# Altium PCB PCBrm.PcbDoc (part 6 of 7)
Units mm, origin at the board's own origin, x right, y up, seen from the top; angles counter-clockwise.
Board outline 220.73 x 137.67 mm, 2 copper layers (Top Layer, Bottom Layer); 138 components, 115 nets, 746 pads, 210 vias.
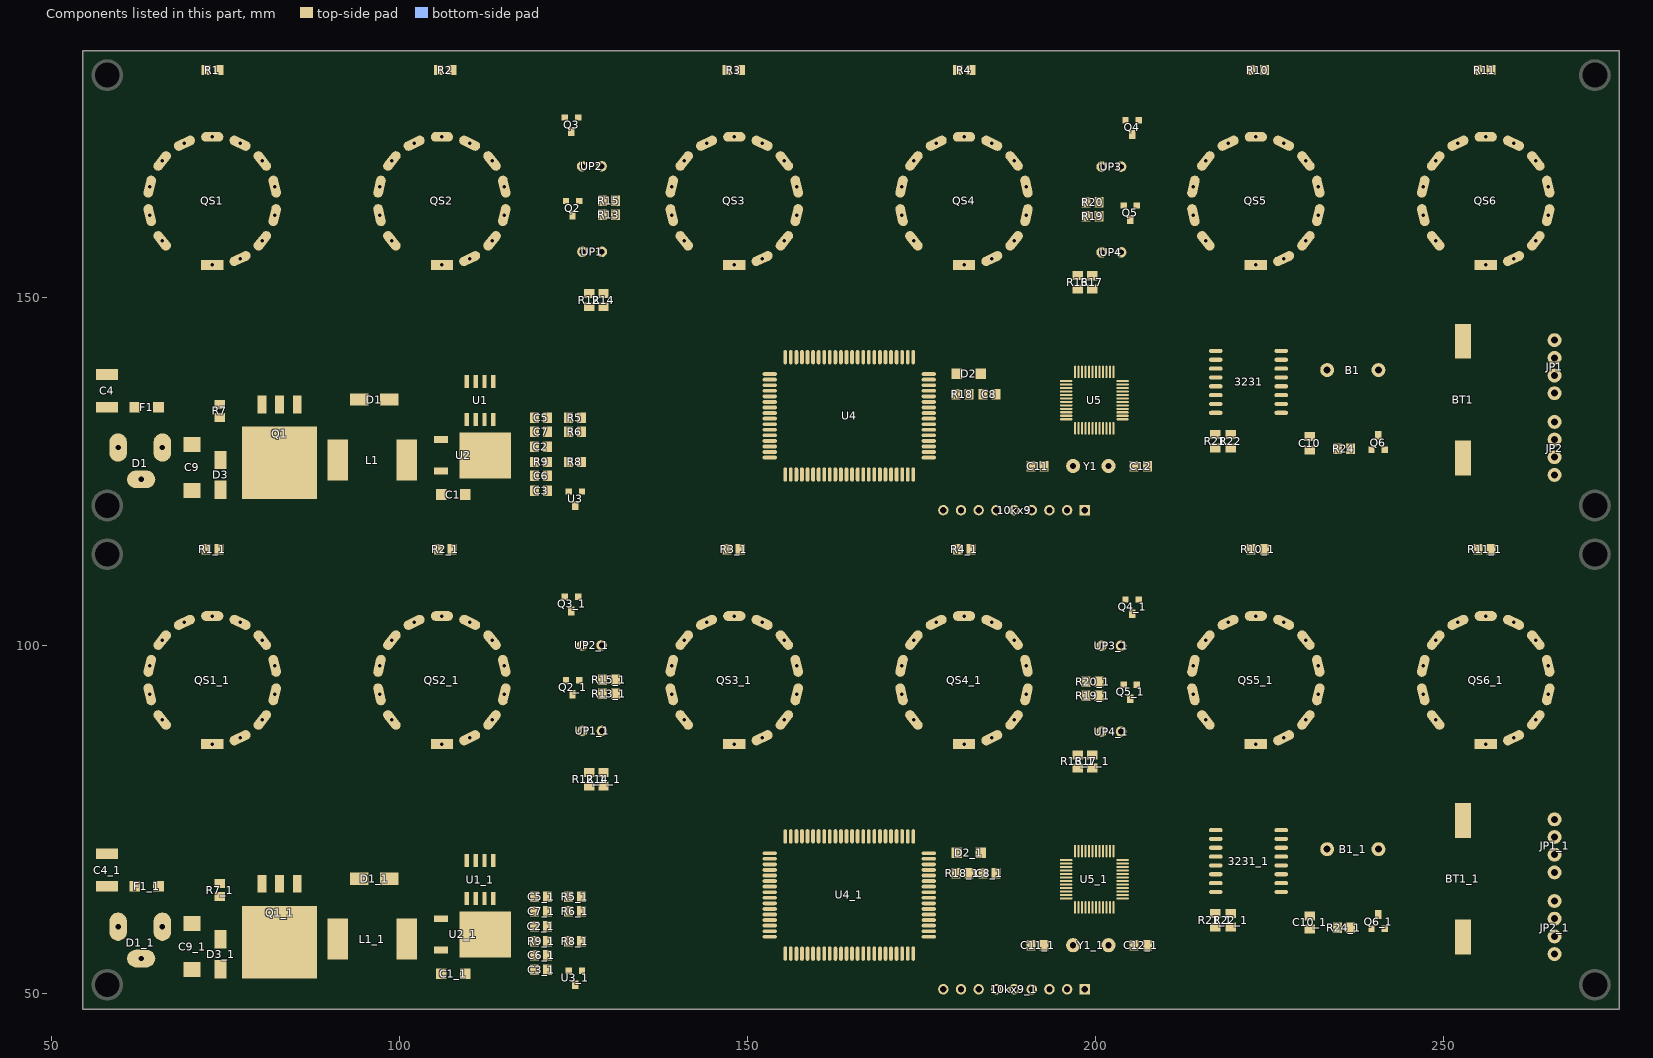
[diagram p6: the components of this part, seen from the top]

## Via types
v1: diameter 1.27, hole 0.711, Top Layer to Bottom Layer, 118 vias
v2: diameter 1.016, hole 0.711, Top Layer to Bottom Layer, 52 vias
v3: diameter 0.61, hole 0.381, Top Layer to Bottom Layer, 40 vias

## Nets (pads, with @x,y where several pads share a name; then routed paths per layer and width w, separated by ;. In a path a pad name is that pad's centre, name@x,y a point inside that pad or via, vN(x,y) a via of type N, cw(c..) or ccw(c..) an arc to the next point about the centre after c; other vN are vias at no path point) (continued)
copper on no net: (continued)
  Top Layer w0.254: 216.685,61.603 217.245,62.902 ; 216.809,88.234 215.762,87.452 ; 216.928,59.563 217.195,58.176 ; 216.929,61.523 217.245,62.902 ; 217.073,64.588 217.245,63.54 217.418,64.588 ; 217.073,68.426 217.245,69.474 217.418,68.426 ; 217.073,69.668 217.245,68.62 217.418,69.668 ; 217.072,69.691 217.105,68.623 ; 217.073,69.696 217.245,70.744 217.418,69.696 ; 217.073,70.938 217.245,69.89 217.418,70.938 ; 217.072,70.961 217.105,69.893 ; 217.073,70.966 217.245,72.014 217.418,70.966 ; 217.073,72.208 217.245,71.16 217.418,72.208 ; 217.072,72.231 217.105,71.163 ; 217.073,72.236 217.245,73.284 217.418,72.236 ; 217.073,73.478 217.245,72.43 ; 217.072,73.501 217.105,72.433 ; 217.076,69.646 217.385,68.623 ; 217.076,70.916 217.385,69.893 ; 217.076,72.186 217.385,71.163 ; 217.076,73.456 217.385,72.433 ; 217.245,65.872 215.798,65.872 ; 217.245,68.412 217.245,69.682 ; 217.257,59.322 218.788,59.239 ; 217.257,59.855 218.788,59.938 ; 217.265,59.066 218.788,59.239 ; 217.265,60.11 218.788,59.938 ; 217.29,59.319 218.749,59.423 ; 217.29,59.857 218.749,59.754 ; 217.33,59.067 218.749,59.423 ; 217.33,60.11 218.749,59.754 ; 217.35,59.325 218.749,59.754 ; 217.35,59.852 218.749,59.423 ; 217.379,59.333 218.788,59.938 ; 217.379,59.844 218.788,59.239 ; 217.414,69.646 217.105,68.623 ; 217.414,70.916 217.105,69.893 ; 217.414,72.186 217.105,71.163 ; 217.414,73.456 217.105,72.433 ; 217.418,69.691 217.385,68.623 ; 217.418,70.961 217.385,69.893 ; 217.418,72.231 217.385,71.163 ; 217.418,73.478 217.245,72.43 ; 217.418,73.501 217.385,72.433 ; 217.446,59.088 218.749,59.754 ; 217.446,60.089 218.749,59.423 ; 217.463,59.563 217.195,58.176 ; 217.464,61.505 217.245,62.902 ; 217.5,59.107 218.788,59.938 ; 217.5,60.07 218.788,59.239 ; 217.685,102.701 218.564,101.508 ; 217.709,59.492 217.195,58.176 ; 217.712,61.567 217.245,62.902 ; 217.73,102.622 218.774,101.604 ; 217.747,102.525 cw(c213.499,98.277) 219.507,98.277 ; 217.904,102.835 218.564,101.508 ; 217.925,102.789 218.774,101.604 ; 217.927,102.704 cw(c214.112,98.89) 219.507,98.89 ; 218.106,102.884 cw(c214.726,99.503) 219.507,99.503 ; 218.286,103.064 cw(c215.339,100.117) 219.507,100.117 ; 218.448,103.249 218.975,101.694 ; 218.463,103.178 219.161,101.778 ; 218.466,103.243 cw(c215.952,100.73) 219.507,100.73 ; 218.486,103.114 219.325,101.851 ; 218.507,103.068 219.559,101.69 ; 218.509,103.037 218.774,101.604 ; 218.519,102.989 218.564,101.508 ; 218.52,103.045 219.407,102.104 ; 218.623,102.917 219.427,102.559 ; 218.645,103.423 cw(c216.565,101.343) 219.507,101.343 ; 218.696,103.312 218.975,101.694 ; 218.701,103.273 219.161,101.778 ; 218.71,103.238 219.325,101.851 ; 218.722,103.208 219.559,101.69 ; 218.724,103.202 219.407,102.104 ; 218.764,103.062 218.774,101.604 ; 218.764,103.137 219.427,102.559 ; 218.775,102.975 218.564,101.508 ; 218.825,103.602 cw(c217.179,101.956) 219.507,101.956 ; 218.963,103.321 219.559,102.724 ; 219.004,103.782 cw(c217.792,102.569) 219.507,102.569 ; 219.208,59.074 217.893,59.588 ; 219.208,60.102 217.893,59.588 ; 219.236,102.817 cw(c219.345,102.615) 219.507,102.777 cw(c219.669,102.939) 219.467,103.048 ; 219.28,59.321 217.893,59.588 ; 219.28,59.856 217.893,59.588 ; 219.305,59.588 217.893,59.588 ; 219.318,103.432 219.427,102.559 ; 219.325,103.408 219.559,101.69 ; 219.328,103.394 219.407,102.104 ; 219.331,103.297 218.975,101.694 ; 219.331,103.368 219.325,101.851 ; 219.333,103.333 219.161,101.778 ; 219.405,61.488 222.494,61.488 v1(222.504,61.478) 221.107,61.488 ; 219.505,59.588 220.917,59.588 ; 219.505,61.488 220.917,61.488 ; 219.531,59.321 220.917,59.588 ; 219.531,59.856 220.917,59.588 ; 219.531,61.221 220.917,61.488 ; 219.531,61.756 220.917,61.488 ; 219.576,103.222 218.975,101.694 ; 219.58,103.424 219.559,101.69 ; 219.58,103.426 219.427,102.559 ; 219.585,103.284 219.161,101.778 ; 219.585,103.384 219.407,102.104 ; 219.587,103.345 219.325,101.851 ; 219.602,59.074 220.917,59.588 ; 219.602,60.102 220.917,59.588 ; 219.602,60.974 220.917,61.488 ; 219.602,62.002 220.917,61.488 ; v1@222.408,60.979 221.107,61.488 ; v1@222.415,61.978 221.107,61.488 ; v1@222.479,61.225 221.107,61.488 ; v1@222.483,61.731 221.107,61.488 ; 226.431,103.248 226.947,101.797 ; 226.438,103.212 227.073,101.665 ; 226.441,103.198 227.026,102.027 ; 226.459,103.139 227.005,102.482 ; 226.473,70.938 226.645,69.89 ; 226.473,70.966 226.645,72.014 226.818,70.966 ; 226.472,72.231 226.505,71.163 226.814,72.186 ; 226.476,73.458 226.797,72.306 226.645,73.492 226.645,74.89 v1(227.432,75.677) ; 226.477,73.534 226.32,72.547 ; 226.645,67.142 228.117,67.142 ; 226.645,72.222 226.32,72.547 ; 226.679,103.313 226.947,101.797 ; 226.682,103.291 227.073,101.665 ; 226.682,103.29 227.026,102.027 ; 226.685,103.274 227.005,102.482 ; 226.947,99.589 cw(c231.099,99.589) 228.163,102.525 ; 226.947,100.202 cw(c230.485,100.202) 227.983,102.704 ; 226.947,100.815 cw(c229.872,100.815) 227.804,102.884 ; 226.947,101.429 cw(c229.259,101.429) 227.624,103.064 ; 226.947,102.042 cw(c228.646,102.042) 227.444,103.243 ; 226.947,102.655 cw(c228.033,102.655) 227.265,103.423 ; 226.947,103.268 cw(c227.419,103.268) 227.085,103.602 ; 226.947,103.321 226.947,92.792 225.616,91.46 224.129,91.46 219.79,87.121 219.79,87.11 207.719,75.04 206.13,75.04 206.077,75.093 173.011,75.093 171.536,73.617 ; 227.237,102.986 227.419,101.513 ; 227.248,103.063 227.232,101.595 ; 227.311,103.279 227.005,102.482 ; 227.314,103.292 226.947,101.797 ; 227.315,103.304 227.026,102.027 ; 227.316,103.32 227.073,101.665 ; 227.32,67.142 228.117,67.142 ; 227.339,66.97 228.117,67.142 ; 227.339,67.314 228.117,67.142 ; 227.493,102.995 227.419,101.513 ; 227.503,103.038 227.232,101.595 ; 227.539,103.148 227.005,102.482 ; 227.557,103.211 226.947,101.797 ; 227.559,103.222 227.026,102.027 ; 227.566,103.263 227.073,101.665 ; v1(227.736,59.294) 230.749,59.294 230.759,59.284 ; 228.086,102.789 227.232,101.595 ; 228.105,102.829 227.419,101.513 ; 228.281,102.622 227.232,101.595 ; 228.322,102.691 227.419,101.513 ; v1@229.003,68.738 228.239,67.264 ; v1@229.22,68.603 228.239,67.264 ; v1@229.578,68.245 228.239,67.264 ; v1@229.713,68.028 228.239,67.264 ; 230.148,97.326 cw(c233.447,97.326) 231.114,99.659 ; 230.148,97.939 cw(c232.834,97.939) 230.935,99.838 ; 230.148,98.552 cw(c232.221,98.552) 230.755,100.018 ; 230.148,99.166 cw(c231.607,99.166) 230.575,100.198 ; 230.148,100.768 230.103,100.722 230.103,95.229 225.826,90.952 224.339,90.952 220.298,86.911 220.298,86.9 207.93,74.532 205.92,74.532 205.867,74.585 173.303,74.585 172.336,73.617 ; 230.189,100.126 230.337,98.426 ; 230.194,100.169 230.239,98.634 ; 230.204,100.217 230.218,99.089 ; 230.212,100.248 230.103,98.919 ; 230.239,100.319 230.198,99.543 ; 230.445,100.129 230.337,98.426 ; 230.45,100.156 230.239,98.634 ; 230.461,100.191 230.218,99.089 ; 230.465,100.202 230.103,98.919 ; 230.496,89.296 233.219,92.018 233.219,99.384 227.29,105.313 218.62,105.313 212.115,98.808 212.115,83.758 206.498,78.141 171.259,78.141 166.736,73.617 ; 230.497,100.26 230.198,99.543 ; 230.517,90.533 231.869,90.849 ; 230.545,90.546 232.044,90.843 ; 230.562,60.67 229.247,61.184 ; 230.562,61.698 229.247,61.184 ; 230.581,94.989 cw(c232.125,93.445) 232.125,95.628 ; 230.599,90.29 231.869,90.849 ; 230.601,90.565 231.686,90.58 ; 230.616,90.299 232.044,90.843 ; 230.633,60.916 229.247,61.184 ; 230.633,61.451 229.247,61.184 ; 230.635,90.308 231.686,90.58 ; 230.659,61.184 229.247,61.184 ; 230.709,90.064 ccw(c230.709,91.406) 231.658,90.457 ; 230.709,90.318 ccw(c230.709,92.273) 232.091,90.891 ; 230.709,90.572 ccw(c230.709,93.14) 232.525,91.324 ; 230.759,61.184 226.172,61.184 224.577,59.588 219.405,59.588 217.195,59.588 217.195,55.052 216.256,54.112 214.198,54.112 214.198,55.001 213.182,56.017 210.744,56.017 ; 230.928,99.808 230.198,99.543 ; 230.96,89.766 232.044,90.843 ; 230.964,89.769 231.686,90.58 ; 230.974,99.548 230.198,99.543 ; 230.98,89.783 231.869,90.849 ; 231.015,95.423 cw(c232.125,94.313) 232.125,95.882 ; 231.015,99.888 230.218,99.089 ; 231.017,99.89 230.103,98.919 ; 231.047,99.941 230.239,98.634 ; 231.06,99.972 230.337,98.426 ; 231.155,89.6 232.044,90.843 ; 231.177,89.621 231.686,90.58 ; 231.176,99.686 230.218,99.089 ; 231.186,99.696 230.103,98.919 ; 231.191,89.638 231.869,90.849 ; 231.253,99.788 230.239,98.634 ; 231.283,99.846 230.337,98.426 ; 231.381,95.789 ccw(c230.968,96.201) 231.552,96.201 ; 231.412,92.728 ccw(c230.998,92.522) 230.998,92.984 ; 231.412,93.24 cw(c230.998,93.447) 230.998,92.984 ; 231.448,95.856 cw(c232.125,95.18) 232.125,96.136 ; 231.705,92.494 231.253,93.061 ; 231.738,96.587 231.34,95.672 ; 231.742,96.592 231.033,95.336 ; 231.762,96.614 231.007,95.415 ; 231.766,96.618 231.473,95.909 ; 231.794,93.543 231.253,93.061 ; 231.799,93.545 230.998,92.984 ; 231.816,92.449 230.998,92.984 ; 231.879,92.696 231.253,93.061 ; 231.918,93.313 230.998,92.984 ; 231.924,92.984 230.998,92.984 ; 231.924,97.079 231.924,96.332 226.036,90.444 224.549,90.444 220.806,86.701 220.806,86.689 208.14,74.024 205.709,74.024 205.657,74.077 173.595,74.077 173.136,73.617 ; 231.928,92.684 230.998,92.984 ; 231.932,93.316 231.253,93.061 ; 231.954,96.446 231.033,95.336 ; 231.961,96.453 231.34,95.672 ; 231.966,96.458 231.007,95.415 ; 231.99,96.476 231.473,95.909 ; 232.192,95.644 231.473,95.909 ; 232.24,95.904 231.473,95.909 ; 232.305,95.925 231.34,95.672 ; 232.325,95.935 231.007,95.415 ; 232.337,95.667 231.34,95.672 ; 232.341,95.944 231.033,95.336 ; 232.397,95.688 231.007,95.415 ; 232.428,95.702 231.033,95.336 ; v1@232.87,60.631 234.056,59.691 ; v1@232.909,60.592 234.237,59.744 ; v1@232.942,60.565 234.397,59.786 ; v1@232.956,60.555 234.429,59.83 ; v1@233.013,60.52 234.491,60.033 ; v1@233.046,60.817 234.056,59.691 ; v1@233.064,60.795 234.237,59.744 ; v1@233.069,60.495 234.552,60.206 ; v1@233.08,60.78 234.397,59.786 ; v1@233.086,60.774 234.429,59.83 ; v1@233.112,60.756 234.491,60.033 ; v1@233.139,60.741 234.552,60.206 ; v1@233.395,61.178 234.552,60.206 ; v1@233.417,61.16 234.491,60.033 ; v1@233.438,61.139 234.429,59.83 ; v1@233.444,61.132 234.397,59.786 ; v1@233.458,61.113 234.237,59.744 ; v1@233.474,61.087 234.056,59.691 ; v1@233.575,61.359 234.552,60.206 ; v1@233.616,61.321 234.491,60.033 ; v1@233.653,61.277 234.429,59.83 ; v1@233.663,61.264 234.397,59.786 ; v1@233.69,61.221 234.237,59.744 ; v1@233.717,61.166 234.056,59.691 ; 234.3,59.248 v1@233.522,60.66 ; 234.514,59.389 v1@233.522,60.66 ; 234.711,59.472 233.248,60.935 v1(233.248,60.97) ; 234.711,59.572 v1@233.522,60.66 ; 234.876,59.784 v1@233.522,60.66 ; 234.997,60.009 v1@233.522,60.66 ; 246.645,95.684 248.171,95.387 ; 246.714,95.661 248.214,95.574 ; 246.715,95.931 248.171,95.387 ; 246.717,96.632 248.151,95.934 ; 246.751,95.915 248.214,95.574 ; 246.787,95.648 248.185,95.767 ; 246.789,95.905 248.185,95.767 ; 246.805,95.628 cw(c246.805,91.643) 249.623,94.461 ; 246.805,95.882 cw(c246.805,92.51) 249.19,94.895 ; 246.805,96.136 cw(c246.805,93.378) 248.756,95.328 ; 246.805,96.39 cw(c246.805,94.245) 248.323,95.762 ; 246.805,96.644 cw(c246.805,95.112) 247.889,96.196 ; 246.805,96.898 cw(c246.805,95.979) 247.455,96.629 ; 246.805,97.152 cw(c246.805,96.846) 247.022,97.063 ; 246.847,96.853 248.151,95.934 ; 246.871,95.898 247.878,96.103 ; 246.94,96.524 247.878,96.103 ; 246.954,95.652 247.878,96.103 ; 246.992,96.505 248.185,95.767 ; 247.006,92.984 250.477,89.513 250.477,88.122 249.64,87.285 239.439,87.285 237.363,89.36 237.363,101.044 229.031,109.377 203.728,109.377 193.98,99.628 193.98,90.115 186.069,82.205 169.426,82.205 168.923,82.205 160.336,73.617 ; 247.006,97.079 250.985,93.099 250.985,87.912 249.85,86.777 239.228,86.777 236.855,89.15 236.855,100.834 228.82,108.869 203.939,108.869 194.488,99.418 194.488,89.905 186.28,81.697 169.215,81.697 161.136,73.617 ; 247.02,91.601 248.407,91.285 ; 247.022,96.489 248.214,95.574 ; 247.053,96.467 248.171,95.387 ; 247.056,97.094 248.151,95.934 ; 247.076,96.746 247.878,96.103 ; 247.087,91.575 248.408,91.466 ; 247.099,91.845 248.407,91.285 ; 247.105,91.57 248.507,91.483 ; 247.133,91.828 248.408,91.466 ; 247.145,91.823 248.507,91.483 ; 247.147,96.71 248.185,95.767 ; 247.196,96.678 248.214,95.574 ; 247.198,91.809 248.102,91.802 ; 247.206,91.534 cw(c247.206,88.516) 249.34,90.65 ; 247.206,91.788 cw(c247.206,89.383) 248.906,91.084 ; 247.206,92.042 cw(c247.206,90.25) 248.473,91.517 ; 247.206,92.296 cw(c247.206,91.117) 248.039,91.951 ; 247.234,91.55 248.102,91.802 ; 247.246,96.637 248.171,95.387 ; 247.309,97.289 248.151,95.934 ; 247.421,92.396 248.102,91.802 ; 247.433,92.388 248.507,91.483 ; 247.447,92.378 248.408,91.466 ; 247.472,92.357 248.407,91.285 ; 247.537,97.406 248.151,95.934 ; 247.616,92.568 248.507,91.483 ; 247.619,92.566 248.102,91.802 ; 247.641,92.547 248.408,91.466 ; 247.68,92.508 248.407,91.285 ; 248.209,89.295 cw(c246.826,89.295) 247.804,88.317 cw(c248.782,87.339) 248.782,88.722 ; 248.221,99.491 cw(c248.221,95.054) 251.358,98.192 ; 248.221,99.745 cw(c248.221,95.921) 250.925,98.625 ; 248.221,99.999 cw(c248.221,96.789) 250.491,99.059 ; 248.221,100.253 cw(c248.221,97.656) 250.058,99.492 ; 248.221,100.507 cw(c248.221,98.523) 249.624,99.926 ; 248.221,100.761 cw(c248.221,99.39) 249.19,100.36 ; 248.221,101.015 cw(c248.221,100.258) 248.757,100.793 ; 248.329,89.583 248.09,88.537 ; 248.351,100.473 249.43,99.323 ; 248.355,89.626 248.024,88.604 ; 248.362,89.637 247.779,88.292 ; 248.404,100.403 249.599,99.488 ; 248.458,100.35 249.743,99.615 ; 248.463,89.295 cw(c247.693,89.295) 248.238,88.751 cw(c248.782,88.206) 248.782,88.976 ; 248.488,100.326 249.52,99.905 ; 248.5,100.317 249.838,99.712 ; 248.551,100.633 249.43,99.323 ; 248.572,89.495 248.09,88.537 ; 248.577,100.592 249.599,99.488 ; 248.588,89.515 247.779,88.292 ; 248.59,89.517 248.024,88.604 ; 248.604,100.561 249.743,99.615 ; 248.612,100.552 249.52,99.905 ; 248.625,100.541 249.838,99.712 ; 248.782,89.296 247.279,87.793 239.649,87.793 237.871,89.571 237.871,101.255 229.241,109.885 203.518,109.885 193.472,99.838 193.472,90.325 185.859,82.713 169.134,82.713 168.631,82.713 159.536,73.617 ; 248.782,100.768 251.968,97.582 251.968,87.745 250.491,86.269 239.018,86.269 236.267,89.019 236.267,100.646 228.553,108.361 217.357,108.361 209.067,100.071 209.067,85.02 205.236,81.189 169.507,81.189 161.936,73.617 ; 249.005,89.042 248.024,88.604 ; 249.028,89.058 248.09,88.537 ; 249.028,89.059 247.779,88.292 ; 249.081,88.794 248.024,88.604 ; 249.088,100.975 249.838,99.712 ; 249.104,100.951 249.743,99.615 ; 249.11,100.941 249.52,99.905 ; 249.123,100.915 249.599,99.488 ; 249.125,88.818 248.09,88.537 ; 249.139,100.873 249.43,99.323 ; 249.143,88.829 247.779,88.292 ; 249.319,101.086 249.838,99.712 ; 249.345,101.041 249.743,99.615 ; 249.36,101.008 249.52,99.905 ; 249.373,100.975 249.599,99.488 ; 249.394,100.9 249.43,99.323 ; 250.704,102.702 251.58,101.506 ; 250.749,102.623 251.79,101.601 ; 250.767,102.525 cw(c246.642,98.4) 252.476,98.4 ; 250.924,102.836 251.58,101.506 ; 250.945,102.79 251.79,101.601 ; 250.947,102.704 cw(c247.255,99.013) 252.476,99.013 ; 251.126,102.884 cw(c247.868,99.626) 252.476,99.626 ; 251.306,103.064 cw(c248.482,100.239) 252.476,100.239 ; 251.467,103.252 251.988,101.69 ; 251.482,103.183 252.171,101.771 ; 251.486,103.243 cw(c249.095,100.852) 252.476,100.852 ; 251.503,103.121 252.328,101.842 ; 251.507,103.111 252.476,101.572 ; 251.529,103.036 251.79,101.601 ; 251.539,102.988 251.58,101.506 ; 251.54,103.045 252.382,102.182 ; 251.658,102.903 252.403,102.637 ; 251.665,103.423 cw(c249.708,101.466) 252.476,101.466 ; 251.716,103.314 251.988,101.69 ; 251.721,103.276 252.171,101.771 ; 251.729,103.242 252.328,101.842 ; 251.733,103.231 252.476,101.572 ; 251.744,103.204 252.382,102.182 ; 251.785,103.06 251.79,101.601 ; 251.788,103.133 252.403,102.637 ; 251.796,102.973 251.58,101.506 ; 251.845,103.602 cw(c250.321,102.079) 252.476,102.079 ; 251.983,103.321 252.476,102.828 252.476,87.535 250.702,85.761 238.807,85.761 235.759,88.809 235.759,100.436 228.342,107.853 217.568,107.853 209.575,99.86 209.575,84.81 205.446,80.681 169.799,80.681 162.736,73.617 ; 252.024,103.782 cw(c250.934,102.692) 252.476,102.692 ; 252.341,103.424 252.403,102.637 ; 252.349,103.386 252.476,101.572 ; 252.349,103.387 252.382,102.182 ; 252.351,103.296 251.988,101.69 ; 252.352,103.364 252.328,101.842 ; 252.353,103.331 252.171,101.771 ; 252.595,103.22 251.988,101.69 ; 252.603,103.401 252.403,102.637 ; 252.604,103.281 252.171,101.771 ; 252.605,103.386 252.476,101.572 ; 252.607,103.339 252.328,101.842 ; 252.606,103.366 252.382,102.182 ; 259.451,103.248 259.967,101.797 ; 259.458,103.212 260.093,101.665 ; 259.461,103.198 260.046,102.027 ; 259.479,103.139 260.025,102.482 ; 259.699,103.313 259.967,101.797 ; 259.702,103.291 260.093,101.665 ; 259.702,103.29 260.046,102.027 ; 259.705,103.274 260.025,102.482 ; 259.967,99.589 cw(c264.119,99.589) 261.183,102.525 ; 259.967,100.202 cw(c263.505,100.202) 261.003,102.704 ; 259.967,100.815 cw(c262.892,100.815) 260.824,102.884 ; 259.967,101.429 cw(c262.279,101.429) 260.644,103.064 ; 259.967,102.042 cw(c261.666,102.042) 260.464,103.243 ; 259.967,102.655 cw(c261.053,102.655) 260.285,103.423 ; 259.967,103.268 cw(c260.439,103.268) 260.105,103.602 ; 260.257,102.986 260.439,101.513 ; 260.268,103.063 260.252,101.595 ; 260.331,103.279 260.025,102.482 ; 260.334,103.292 259.967,101.797 ; 260.335,103.304 260.046,102.027 ; 260.336,103.32 260.093,101.665 ; 260.513,102.995 260.439,101.513 ; 260.523,103.038 260.252,101.595 ; 260.559,103.148 260.025,102.482 ; 260.577,103.211 259.967,101.797 ; 260.579,103.222 260.046,102.027 ; 260.586,103.263 260.093,101.665 ; 261.106,102.789 260.252,101.595 ; 261.125,102.829 260.439,101.513 ; 261.301,102.622 260.252,101.595 ; 261.342,102.691 260.439,101.513 ; 261.424,90.159 cw(c264.744,86.839) 264.744,91.534 ; 261.858,90.592 cw(c264.744,87.706) 264.744,91.788 ; 262.292,91.026 cw(c264.744,88.574) 264.744,92.042 ; 262.604,100.667 cw(c262.268,100.607) 262.509,100.366 ; 262.725,91.46 cw(c264.744,89.441) 264.744,92.296 ; 263.159,91.893 cw(c264.744,90.308) 264.744,92.55 ; 263.168,89.296 264.943,89.296 266.573,90.925 266.573,99.223 255.403,110.393 203.27,110.393 192.964,100.086 192.964,90.536 185.649,83.221 168.339,83.221 158.736,73.617 ; 263.168,100.768 263.142,100.742 262.885,100.742 262.509,100.366 ; 263.318,100.419 262.509,98.836 ; 263.537,100.286 262.509,98.836 ; 263.577,89.478 264.87,89.296 ; 263.592,92.327 cw(c264.744,91.175) 264.744,92.804 ; 263.638,89.729 264.87,89.296 ; 263.78,90.014 264.87,89.296 ; 263.78,100.079 262.509,98.836 ; 263.982,99.832 262.509,98.836 ; 263.987,90.257 264.87,89.296 ; 264.026,92.761 cw(c264.744,92.042) 264.744,93.058 ; 264.109,99.611 262.509,98.836 ; 264.193,90.412 264.87,89.296 ; 264.389,91.718 263.93,92.586 ; 264.408,92.545 263.56,91.382 ; 264.494,92.61 263.246,91.503 ; 264.547,92.639 263.328,91.735 ; 264.593,97.503 263.7,96.223 ; 264.596,91.585 263.623,92.25 ; 264.601,91.869 263.93,92.586 ; 264.602,92.376 263.56,91.382 ; 264.611,92.665 263.413,91.957 ; 264.623,92.669 263.179,91.914 ; 264.649,92.406 263.246,91.503 ; 264.682,92.42 263.328,91.735 ; 264.717,92.69 263.623,92.25 ; 264.718,91.813 263.623,92.25 ; 264.721,92.432 263.413,91.957 ; 264.723,92.433 263.179,91.914 ; 264.727,93.506 264.236,92.922 ; 264.745,91.551 263.413,91.957 ; 264.767,91.55 263.179,91.914 ; 264.786,92.441 263.623,92.25 ; 264.791,97.339 263.7,96.223 ; 264.796,91.803 263.413,91.957 ; 264.804,91.803 263.179,91.914 ; 264.834,91.55 263.328,91.735 ; 264.835,92.449 264.236,92.922 ; 264.843,91.807 263.328,91.735 ; 264.884,91.816 263.246,91.503 ; 264.897,93.303 264.236,92.922 ; 264.898,92.424 263.93,92.586 ; 264.906,92.684 263.93,92.586 ; 264.913,91.561 263.246,91.503 ; 264.928,91.832 263.56,91.382 ; 264.944,92.984 264.25,92.984 ; 264.944,97.079 264.556,97.079 263.65,96.172 263.65,93.211 257.351,86.913 254.009,86.913 251.333,84.237 238.081,84.237 234.235,88.083 234.235,99.804 227.711,106.329 218.199,106.329 211.099,99.229 211.099,84.179 206.077,79.157 170.675,79.157 165.136,73.617 ; 264.961,92.682 264.236,92.922 ; 264.986,91.582 263.56,91.382 ; 264.995,97.094 263.7,96.223 ; 265.145,96.813 263.7,96.223 ; 265.222,96.568 263.7,96.223 ; 112.192,62.418 112.268,62.342 116.434,62.342 v1(116.592,62.501) 115.176,62.342 ; 121.26,63.917 v1@122.123,63.917 ; 121.26,63.917 v1(122.18,63.498) ; 121.301,63.651 v1@122.123,63.917 ; 121.301,63.651 v1(122.18,63.498) ; 121.301,64.182 v1@122.123,63.917 ; 121.301,64.182 v1(122.18,63.498) ; 121.418,63.418 v1@122.123,63.917 ; 121.418,63.418 v1(122.18,63.498) ; 121.418,64.415 v1@122.123,63.917 ; 121.418,64.415 v1(122.18,63.498) ; v1@122.123,63.917 122.809,63.231 122.447,63.231 v1(122.18,63.498) ; 138.906,96.217 139.921,95.851 ; 138.906,96.217 140.212,95.342 ; 138.906,96.217 140.228,95.515 ; 138.906,96.217 140.101,95.773 ; 139.307,92.122 140.488,91.966 ; 139.307,92.122 140.181,92.302 ; 139.307,92.122 140.5,91.35 ; 139.307,92.122 140.83,91.43 ; 139.307,92.122 140.737,91.648 ; 139.307,92.122 140.739,91.834 ; 140.883,100.783 141.524,100.009 ; 140.883,100.783 141.59,100.076 ; 140.883,100.783 141.888,99.712 ; 143.6,101.484 143.273,102.945 143.794,101.571 ; 143.968,101.647 144.084,103.336 ; 144.083,101.805 144.084,103.336 ; 144.084,103.336 144.103,102.26 ; 144.084,103.336 144.178,101.793 ; 152.017,101.797 152.068,103.336 ; 152.068,103.336 152.075,102.482 ; 152.068,103.336 152.143,101.665 ; 152.068,103.336 152.096,102.027 ; 152.145,65.515 145.669,71.991 145.669,80.637 150.006,84.974 150.006,86.691 156.3,92.984 ; 152.302,101.595 152.878,102.945 152.489,101.513 ; 155.218,98.909 155.83,100.079 ; 155.228,91.913 156.845,92.122 ; 155.244,56.507 v3(155.392,57.44) ; 155.268,99.543 155.83,100.079 ; 155.288,99.089 155.83,100.079 ; 155.296,91.503 156.845,92.122 ; 155.309,98.634 155.83,100.079 ; 155.377,57.121 v3(155.392,57.44) ; 155.378,91.735 156.845,92.122 ; 155.392,56.496 v3(155.392,57.44) ; v3(155.392,57.44) 155.54,56.507 ; v3(155.392,57.44) 155.407,57.121 ; 155.407,98.426 155.83,100.079 ; 155.463,91.957 156.845,92.122 ; 155.61,91.382 156.845,92.122 ; 155.673,92.25 156.845,92.122 ; 155.83,90.014 156.756,90.58 ; 155.83,90.014 156.939,90.849 ; 155.83,90.014 157.114,90.843 ; 155.98,92.586 156.845,92.122 ; v3@156.021,57.813 156.192,57.533 ; v3@156.021,57.813 156.192,57.533 ; v3@156.021,57.813 156.192,57.533 ; 156.086,56.792 v3(156.192,57.861) ; 156.163,94.945 157.245,96.217 156.363,95.238 ; 156.177,57.543 v3(156.192,57.861) ; 156.192,56.794 156.369,57.846 156.192,56.794 ; 156.192,56.794 156.015,57.846 156.192,56.794 ; 156.192,57.533 v3@156.363,57.813 ; 156.192,57.533 v3(156.192,57.861) ; 156.192,57.533 v3@156.363,57.813 ; 156.192,57.533 v3(156.192,57.861) ; 156.192,57.533 v3@156.363,57.813 ; v3(156.192,57.861) 156.207,57.543 ; v3(156.192,57.861) 156.298,56.792 ; 156.286,92.922 157.045,93 ; 156.3,92.984 156.836,92.466 156.3,92.984 ; 156.3,92.984 156.814,93.524 156.3,92.984 ; 156.3,92.984 156.983,92.687 156.3,92.984 ; 156.3,92.984 156.971,93.31 156.3,92.984 ; 156.3,92.984 157.045,93 ; 156.3,92.984 157.045,93 ; 156.844,56.507 v3(156.992,57.44) ; 156.844,56.507 v3(156.992,57.44) ; 156.977,57.121 v3(156.992,57.44) ; 156.992,56.496 v3(156.992,57.44) ; v3(156.992,57.44) 157.14,56.507 ; v3(156.992,57.44) 157.007,57.121 ; v3@157.614,57.821 157.792,57.533 ; v3@157.614,57.821 157.792,57.533 ; v3@157.614,57.821 157.792,57.533 ; 157.686,56.799 v3(157.785,57.871) ; 157.777,57.542 v3(157.785,57.871) ; v3(157.785,57.871) 157.806,57.564 ; v3(157.785,57.871) 157.792,57.533 ; v3(157.785,57.871) 157.897,56.805 ; v3(157.785,57.871) 157.792,57.533 ; v3(157.785,57.871) 157.792,57.533 ; v3(157.785,57.871) 157.792,56.805 ; v3(157.785,57.871) 157.792,56.805 ; 157.792,56.805 157.962,57.858 157.792,56.805 ; 157.792,56.805 157.608,57.855 157.792,56.805 ; 157.792,57.533 v3@157.957,57.828 ; 157.792,57.533 v3@157.957,57.828 ; 157.792,57.533 v3@157.957,57.828 ; 158.444,56.507 v3(158.592,57.44) ; 158.444,56.507 v3(158.592,57.44) ; 158.577,57.121 v3(158.592,57.44) ; 158.592,56.496 v3(158.592,57.44) ; v3(158.592,57.44) 158.74,56.507 ; v3(158.592,57.44) 158.607,57.121 ; v3@159.214,57.821 159.392,57.533 ; v3@159.214,57.821 159.392,57.533 ; v3@159.214,57.821 159.392,57.533 ; 159.286,56.799 v3(159.385,57.871) ; 159.377,57.543 v3(159.385,57.871) ; v3(159.385,57.871) 159.406,57.564 ; v3(159.385,57.871) 159.392,57.533 ; v3(159.385,57.871) 159.497,56.805 ; v3(159.385,57.871) 159.392,57.533 ; v3(159.385,57.871) 159.392,57.533 ; v3(159.385,57.871) 159.392,56.805 ; v3(159.385,57.871) 159.392,56.805 ; 159.392,56.805 159.562,57.858 159.392,56.805 ; 159.392,56.805 159.208,57.855 159.392,56.805 ; 159.392,57.533 v3@159.558,57.828 ; 159.392,57.533 v3@159.558,57.828 ; 159.392,57.533 v3@159.558,57.828 ; 160.044,56.507 v3(160.192,57.44) ; 160.044,56.507 v3(160.192,57.44) ; 160.177,57.121 v3(160.192,57.44) ; 160.192,56.496 v3(160.192,57.44) ; v3(160.192,57.44) 160.34,56.507 ; v3(160.192,57.44) 160.207,57.121 ; v3@160.815,57.821 160.992,57.533 ; v3@160.815,57.821 160.992,57.533 ; v3@160.815,57.821 160.992,57.533 ; 160.886,56.799 v3(160.985,57.871) ; 160.977,57.543 v3(160.985,57.871) ; v3(160.985,57.871) 161.006,57.564 ; v3(160.985,57.871) 160.992,57.533 ; v3(160.985,57.871) 161.097,56.805 ; v3(160.985,57.871) 160.992,57.533 ; v3(160.985,57.871) 160.992,57.533 ; v3(160.985,57.871) 160.992,56.805 ; v3(160.985,57.871) 160.992,56.805 ; 160.992,56.805 161.162,57.858 160.992,56.805 ; 160.992,56.805 160.808,57.855 160.992,56.805 ; 160.992,57.533 v3@161.158,57.828 ; 160.992,57.533 v3@161.158,57.828 ; 160.992,57.533 v3@161.158,57.828 ; 161.644,56.507 v3(161.792,57.44) ; 161.644,56.507 v3(161.792,57.44) ; 161.777,57.121 v3(161.792,57.44) ; 161.792,56.496 v3(161.792,57.44) ; v3(161.792,57.44) 161.94,56.507 ; v3(161.792,57.44) 161.807,57.121 ; v3@162.421,57.813 162.592,57.533 ; v3@162.421,57.813 162.592,57.533 ; v3@162.421,57.813 162.592,57.533 ; 162.486,56.792 v3(162.592,57.861) ; 162.577,57.543 v3(162.592,57.861) ; 162.592,56.794 162.769,57.846 162.592,56.794 ; 162.592,56.794 162.415,57.846 162.592,56.794 ; 162.592,57.533 v3@162.763,57.813 ; 162.592,57.533 v3(162.592,57.861) ; 162.592,57.533 v3@162.763,57.813 ; 162.592,57.533 v3@162.763,57.813 ; 162.592,57.533 v3(162.592,57.861) ; v3(162.592,57.861) 162.607,57.543 ; v3(162.592,57.861) 162.698,56.792 ; 163.244,56.507 v3(163.392,57.44) ; 163.244,56.507 v3(163.392,57.44) ; 163.377,57.121 v3(163.392,57.44) ; 163.392,56.496 v3(163.392,57.44) ; v3(163.392,57.44) 163.54,56.507 ; v3(163.392,57.44) 163.407,57.121 ; v3@164.015,57.822 164.192,57.533 ; v3@164.015,57.822 164.192,57.533 ; v3@164.015,57.822 164.192,57.533 ; 164.087,56.799 v3(164.186,57.871) ; 164.177,57.543 v3(164.186,57.871) ; v3(164.186,57.871) 164.206,57.563 ; v3(164.186,57.871) 164.192,57.533 ; v3(164.186,57.871) 164.297,56.805 ; v3(164.186,57.871) 164.192,57.533 ; v3(164.186,57.871) 164.192,57.533 ; v3(164.186,57.871) 164.192,56.805 ; v3(164.186,57.871) 164.192,56.805 ; 164.192,56.805 164.363,57.858 164.192,56.805 ; 164.192,56.805 164.009,57.856 164.192,56.805 ; 164.192,57.533 v3@164.358,57.828 ; 164.192,57.533 v3@164.358,57.828 ; 164.192,57.533 v3@164.358,57.828 ; 164.336,73.617 170.383,79.665 205.867,79.665 210.591,84.389 210.591,99.439 217.989,106.837 227.921,106.837 234.743,100.015 234.743,88.293 238.292,84.745 251.123,84.745 253.799,87.421 257.14,87.421 262.509,92.789 262.509,100.366 ; 164.844,56.507 v3(164.992,57.44) ; 164.844,56.507 v3(164.992,57.44) ; 164.977,57.121 v3(164.992,57.44) ; 164.992,56.496 v3(164.992,57.44) ; v3(164.992,57.44) 165.14,56.507 ; v3(164.992,57.44) 165.007,57.121 ; v3@165.66,57.902 165.792,57.533 ; v3@165.66,57.902 165.792,57.533 ; v3@165.66,57.902 165.792,57.533 ; 165.696,56.862 v3(165.837,57.922) ; 165.792,56.853 166.013,57.9 165.792,56.853 ; 165.792,56.853 165.659,57.915 165.792,56.853 ; 165.792,56.853 v3(165.837,57.922) ; 165.792,56.853 v3(165.837,57.922) ; 165.792,57.533 v3@166.004,57.862 ; 165.792,57.533 v3(165.837,57.922) ; 165.792,57.533 v3@166.004,57.862 ; 165.792,57.533 v3(165.837,57.922) ; 165.792,57.533 v3@166.004,57.862 ; 165.792,57.533 v3(165.837,57.922) ; 165.812,57.536 v3(165.837,57.922) ; v3(165.837,57.922) 165.907,56.734 ; 165.936,73.617 170.967,78.649 206.288,78.649 211.607,83.968 211.607,99.018 218.41,105.821 227.5,105.821 233.727,99.594 233.727,87.873 237.871,83.729 251.892,83.729 252.705,84.541 257.861,84.541 258.06,84.74 258.06,86.794 264.25,92.984 ; 166.444,56.507 v3(166.592,57.44) ; 166.444,56.507 v3(166.592,57.44) ; 166.577,57.121 v3(166.592,57.44) ; 166.592,56.496 v3(166.592,57.44) ; v3(166.592,57.44) 166.74,56.507 ; v3(166.592,57.44) 166.607,57.121 ; v3@167.215,57.822 167.392,57.533 ; v3@167.215,57.822 167.392,57.533 ; v3@167.215,57.822 167.392,57.533 ; 167.287,56.799 v3(167.386,57.871) ; 167.377,57.544 v3(167.386,57.871) ; v3(167.386,57.871) 167.406,57.562 ; v3(167.386,57.871) 167.392,57.533 ; v3(167.386,57.871) 167.497,56.804 ; v3(167.386,57.871) 167.392,57.533 ; v3(167.386,57.871) 167.392,57.533 ; v3(167.386,57.871) 167.392,56.805 ; v3(167.386,57.871) 167.392,56.805 ; 167.392,56.805 167.563,57.858 167.392,56.805 ; 167.392,56.805 167.209,57.856 167.392,56.805 ; 167.392,57.533 v3@167.558,57.828 ; 167.392,57.533 v3@167.558,57.828 ; 167.392,57.533 v3@167.558,57.828 ; 168.044,56.507 v3(168.192,57.44) ; 168.044,56.507 v3(168.192,57.44) ; 168.177,57.121 v3(168.192,57.44) ; 168.192,56.496 v3(168.192,57.44) ; v3(168.192,57.44) 168.34,56.507 ; v3(168.192,57.44) 168.207,57.121 ; v3@168.838,57.806 168.992,57.533 ; v3@168.838,57.806 168.992,57.533 ; v3@168.838,57.806 168.992,57.533 ; 168.884,56.783 v3(169.012,57.846) ; 168.992,56.779 169.188,57.828 168.992,56.779 ; 168.992,56.779 168.834,57.834 168.992,56.779 ; 168.992,56.779 v3(169.012,57.846) ; 168.992,56.779 v3(169.012,57.846) ; 168.992,57.533 v3@169.179,57.785 ; 168.992,57.533 v3(169.012,57.846) ; 168.992,57.533 v3@169.179,57.785 ; 168.992,57.533 v3(169.012,57.846) ; 168.992,57.533 v3@169.179,57.785 ; 168.992,57.533 v3(169.012,57.846) ; 169.009,57.498 v3(169.012,57.846) ; v3(169.012,57.846) 169.102,56.767 ; 169.644,56.507 v3@169.792,57.44 ; 169.644,56.507 v3(169.786,57.399) ; 169.777,57.073 v3(169.786,57.399) ; v3(169.786,57.399) 169.786,57.434 v3@169.792,57.44 ; v3(169.786,57.399) 169.806,57.09 ; v3(169.786,57.399) 169.94,56.507 ; v3(169.786,57.399) 169.792,56.496 ; v3(169.786,57.399) 169.792,56.333 ; 169.792,56.496 v3@169.792,57.44 ; v3@169.792,57.44 169.94,56.507 ; 170.477,56.732 v3(170.612,57.795) ; 170.592,56.726 170.789,57.777 170.592,56.728 ; 170.592,56.726 170.434,57.784 170.592,56.728 ; 170.592,56.726 v3(170.612,57.795) ; 170.592,56.728 v3(170.612,57.795) ; 170.609,57.447 v3(170.612,57.795) ; v3(170.612,57.795) 170.71,56.714 ; 170.736,73.617 172.719,75.601 206.288,75.601 206.34,75.548 207.509,75.548 219.282,87.321 219.282,87.332 219.559,87.61 219.559,92.942 219.507,92.995 219.507,97.321 219.559,97.373 219.559,102.724 ; 171.907,96.217 173.087,95.304 ; 171.907,96.217 172.781,95.64 ; 171.907,96.217 173.038,95.469 ; 172.308,92.122 173.172,91.802 ; 172.308,92.122 173.466,91.29 ; 172.308,92.122 173.478,91.466 ; 172.308,92.122 173.563,91.497 ; 172.839,88.282 174.081,89.06 173.16,88.537 ; 172.839,88.282 173.884,89.311 ; 173.094,88.604 173.884,89.311 ; 173.16,88.537 173.884,89.311 ; 173.884,100.783 174.544,100.009 ; 173.884,100.783 174.61,100.076 ; 173.884,100.783 174.898,99.722 ; 176.595,101.478 176.274,102.945 176.777,101.558 ; 176.929,101.625 177.085,103.336 ; 176.956,102.06 177.085,103.336 ; 177.032,101.793 177.085,103.336 ; 185.037,101.797 185.068,103.336 ; 185.068,103.336 185.095,102.482 ; 185.068,103.336 185.16,101.657 ; 185.068,103.336 185.116,102.027 ; 185.319,101.587 185.879,102.945 185.505,101.505 ; 188.238,98.905 188.831,100.079 ; 188.288,99.543 188.831,100.079 ; 188.308,99.089 188.831,100.079 ; 188.329,98.634 188.831,100.079 ; 188.44,98.463 188.831,100.079 ; 188.565,92.984 190.046,93 ; 188.831,90.014 189.776,90.58 ; 188.831,90.014 189.944,90.842 ; 188.831,90.014 190.135,90.844 ; 188.989,92.937 190.046,93 ; 188.989,93.032 190.046,93 ; 189.331,94.835 190.246,96.217 ; 189.392,95.101 190.246,96.217 ; 189.636,95.234 190.246,96.217 ; 194.97,56.932 196.748,56.957 ; v1(195.463,82.398) 196.863,82.032 ; v1(195.463,82.398) 196.862,82.787 ; v1(195.463,82.398) 196.863,82.222 ; v1(195.463,82.398) 196.863,82.595 ; v1(195.463,82.398) 196.86,82.408 ; 197.046,67.175 v1(197.942,66.279) 197.046,67.175 ; 199.546,71.507 199.546,71.231 199.546,71.507 ; 199.934,64.181 199.934,67.284 ; 201.546,71.509 202.413,72.375 208.331,72.375 211.709,68.997 211.709,67.422 v2(211.633,67.346) 211.709,68.619 ; 202.046,61.336 202.819,60.564 211.582,60.564 215.621,64.602 ; 202.046,71.231 202.273,71.661 ; 202.046,71.231 202.046,71.434 ; 202.046,71.231 202.046,71.434 ; 202.046,71.434 202.273,71.661 ; 202.273,71.661 207.927,71.661 ; 203.073,60.97 207.442,60.97 ; 207.442,60.97 208.813,62.342 ; 207.927,71.661 v2(208.813,70.775) 207.927,71.661 ; 208.686,66.431 v1(209.871,66.431) 208.686,66.431 ; 208.813,62.342 v1(209.804,62.342) 212.268,62.342 215.798,65.872 ; 213.503,60.986 v1(212.344,59.802) 212.344,59.827 215.341,62.824 v1(215.417,62.824) 214.213,61.696 ; 213.836,96.217 214.858,96.103 ; 213.836,96.217 215.165,95.767 ; 213.836,96.217 215.194,95.574 ; 213.836,96.217 215.151,95.387 ; 214.237,92.122 215.231,91.762 ; 214.237,92.122 215.537,91.426 ; 214.237,92.122 215.399,91.304 ; 214.237,92.122 215.522,91.571 ; 215.621,64.602 217.245,64.602 217.245,61.538 217.195,61.488 217.245,62.902 ; 215.813,100.783 216.5,99.905 ; 215.813,100.783 216.723,99.615 ; 215.813,100.783 216.579,99.488 ; 215.813,100.783 216.41,99.323 ; 215.813,100.783 216.818,99.712 ; 217.105,68.623 217.245,69.682 ; 217.105,69.893 217.245,70.952 ; 217.105,71.163 217.245,72.222 ; 217.105,72.433 217.245,73.492 ; 217.245,69.682 217.245,70.952 ; 217.245,69.682 217.385,68.623 ; 217.245,70.952 217.245,72.222 ; 217.245,70.952 217.385,69.893 ; 217.245,72.222 217.245,73.492 ; 217.245,72.222 217.385,71.163 ; 217.245,72.43 217.245,73.492 ; 217.245,73.492 217.57,73.492 218.404,74.327 225.486,74.327 226.32,73.492 226.32,72.547 ; 217.245,73.492 217.385,72.433 ; 217.295,59.588 218.788,59.239 ; 217.295,59.588 218.788,59.938 ; 217.295,59.588 218.749,59.423 ; 217.295,59.588 218.749,59.754 ; 217.295,59.588 218.707,59.588 ; 217.295,59.588 218.707,59.588 ; 218.564,101.508 218.203,102.945 218.774,101.604 ; 218.707,59.588 217.392,60.102 218.707,59.588 ; 218.707,59.588 217.392,59.074 218.707,59.588 ; 218.707,59.588 217.321,59.856 218.707,59.588 ; 218.707,59.588 217.321,59.321 218.707,59.588 ; 218.975,101.694 219.014,103.336 ; 219.014,103.336 219.407,102.104 ; 219.014,103.336 219.427,102.559 ; 219.014,103.336 219.325,101.851 ; 219.014,103.336 219.161,101.778 ; 219.014,103.336 219.559,102.724 ; 219.014,103.336 219.559,101.69 ; 219.014,103.336 219.559,102.724 ; 219.559,102.724 219.548,103.544 219.559,102.724 ; 219.559,102.724 218.747,102.829 219.559,102.724 ; 219.559,102.724 219.289,103.498 219.559,102.724 ; 219.559,102.724 218.822,103.081 219.559,102.724 ; 226.947,101.797 226.998,103.336 ; 226.998,103.336 227.005,102.482 ; 226.998,103.336 227.026,102.027 ; 226.998,103.336 227.073,101.665 ; 227.232,101.595 227.808,102.945 227.419,101.513 ; 228.117,67.142 v1(229.413,68.438) 228.239,67.264 ; 230.103,98.919 230.76,100.079 ; 230.198,99.543 230.76,100.079 ; 230.218,99.089 230.76,100.079 ; 230.239,98.634 230.76,100.079 ; 230.337,98.426 230.76,100.079 ; 230.76,90.014 231.686,90.58 ; 230.76,90.014 231.869,90.849 ; 230.76,90.014 232.044,90.843 ; 230.998,92.984 231.975,93 231.253,93.061 ; 231.007,95.415 232.175,96.217 ; 231.033,95.336 232.175,96.217 ; 231.34,95.672 232.175,96.217 ; 231.473,95.909 232.175,96.217 ; v1(233.248,60.97) 234.397,59.786 ; v1(233.248,60.97) 234.056,59.691 ; v1(233.248,60.97) 234.552,60.206 ; v1(233.248,60.97) 234.237,59.744 ; v1(233.248,60.97) 234.491,60.033 ; v1(233.248,60.97) 234.429,59.83 ; 246.856,96.217 247.878,96.103 ; 246.856,96.217 248.185,95.767 ; 246.856,96.217 248.171,95.387 ; 246.856,96.217 248.214,95.574 ; 247.257,92.122 248.102,91.802 ; 247.257,92.122 248.408,91.466 ; 247.257,92.122 248.407,91.285 ; 247.257,92.122 248.507,91.483 ; 247.779,88.292 248.833,89.311 ; 248.024,88.604 248.833,89.311 ; 248.09,88.537 248.833,89.311 ; 248.833,100.783 249.52,99.905 ; 248.833,100.783 249.43,99.323 ; 248.833,100.783 249.599,99.488 ; 248.833,100.783 249.743,99.615 ; 248.833,100.783 249.838,99.712 ; 251.58,101.506 251.223,102.945 251.79,101.601 ; 251.988,101.69 252.034,103.336 ; 252.034,103.336 252.476,101.572 ; 252.034,103.336 252.171,101.771 ; 252.034,103.336 252.328,101.842 ; 252.034,103.336 252.382,102.182 ; 252.034,103.336 252.403,102.637 ; 259.967,101.797 260.018,103.336 ; 260.018,103.336 260.025,102.482 ; 260.018,103.336 260.093,101.665 ; 260.018,103.336 260.046,102.027 ; 260.252,101.595 260.828,102.945 260.439,101.513 ; 262.509,100.366 263.319,100.219 262.509,100.366 ; 262.509,100.366 262.774,101.145 262.509,100.366 ; 262.509,100.366 263.324,100.482 262.509,100.366 ; 262.509,100.366 263.007,101.021 262.509,100.366 ; 262.509,100.366 263.219,100.783 262.509,100.366 ; 263.179,91.914 264.795,92.122 ; 263.246,91.503 264.795,92.122 ; 263.328,91.735 264.795,92.122 ; 263.413,91.957 264.795,92.122 ; 263.56,91.382 264.795,92.122 ; 263.623,92.25 264.795,92.122 ; 263.93,92.586 264.795,92.122 ; 264.236,92.922 264.995,93 ; 264.25,92.984 264.786,92.466 264.25,92.984 ; 264.25,92.984 264.764,93.524 264.25,92.984 ; 264.25,92.984 264.933,92.687 264.25,92.984 ; 264.25,92.984 264.921,93.31 264.25,92.984 ; 264.25,92.984 264.995,93 ; 264.25,92.984 264.995,93
  Top Layer w0.281: v2(180.467,56.769) 183.81,56.769 190.722,63.681 195.746,63.681 ; 194.003,63.681 194.996,63.681 ; 201.054,62.374 201.054,61.427 ; v2@201.365,60.263 201.054,61.427 ; v2(201.701,60.411) 201.054,61.427 ; v2@201.943,60.653 201.828,60.653 201.054,61.427 ; v2@201.977,60.654 201.054,61.427 ; 201.054,61.427 201.046,61.631 201.054,61.427
  Top Layer w0.305: v1(202.197,104.874) 202.197,104.531 204.279,106.614 ; 203.176,105.51 204.473,106.378 ; 204,94.397 204.56,94.397 205.322,93.635 206.489,93.635 206.946,94.093 206.946,107.197 206.768,107.376 205.041,107.376 204.523,106.431 ; v1(211.557,74.635) 211.557,71.309 213.995,68.871 213.995,66.584 v1(214.478,66.101) ; 212.928,53.299 212.979,53.299 212.954,53.325 v1(212.954,54.569) ; 230.759,59.284 231.8,58.242 240.439,58.242 241.516,59.319
  Top Layer w0.381: 105.403,52.95 105.956,54.773 ; 105.653,56.228 105.956,54.618 106.26,56.228 ; 105.956,56.256 105.956,52.88 105.969,52.868 ; 106.097,52.311 107.245,52.868 ; 106.097,53.425 107.245,52.868 ; 106.533,52.957 105.956,54.773 ; 121.303,52.943 123.069,53.299 ; 121.354,53.853 123.069,53.299 ; 124.051,53.433 124.65,54.204 ; 124.26,53.034 122.682,53.299 124.26,53.565 ; 124.541,53.233 124.65,54.204 ; 124.957,51.478 125.285,53.047 ; 125.151,51.01 123.308,51.661 ; 125.222,51.445 125.285,53.047 ; 125.258,51.532 123.308,51.661 ; 125.488,51.457 125.285,53.047 ; 139.056,92.984 139.588,92.984 ; v1@143.608,54.849 141.886,54.201 ; v1@143.712,53.973 141.886,54.201 ; v1@172.37,63.32 173.438,63.771 ; v1(172.618,62.951) 173.438,63.771 ; v1@172.987,62.703 173.438,63.771 ; 173.849,63.771 175.267,63.771 ; 176.767,62.971 177.921,62.971 ; 176.767,63.771 177.406,63.771 ; 176.767,64.571 178.185,64.571 ; v2(180.467,56.769) 178.076,54.378 148.248,54.378 146.888,55.738 140.792,55.738 139.929,54.874 125.321,54.874 124.65,54.204 ; v1(184.798,64.757) 183.132,64.757 ; 185.684,67.295 185.669,67.295 183.132,64.757 ; v1(189.636,60.477) v1(191.287,58.826) ; v1(193.548,54.813) 194.234,54.813 198.425,50.622 ; v2@201.648,60.098 202.624,60.094 ; v2@201.852,60.691 202.624,60.094 ; 203.278,100.423 205.176,101.554 ; 203.288,88.112 204.94,88.999 ; 203.581,87.64 204.94,88.999 ; 203.581,99.959 205.219,101.597 205.219,104.582 ; 203.632,87.655 204.94,88.999 ; 203.632,99.974 205.176,101.554 ; 204.089,99.631 205.176,101.554 ; 204.097,87.324 204.94,88.999 ; 204.674,92.165 204.94,90.587 ; 204.94,92.187 204.94,90.587 ; 204.94,92.365 204.94,88.999 ; 204.954,104.382 205.219,102.804 ; 205.206,92.165 204.94,90.587 ; 205.219,104.404 205.219,102.804 ; 205.485,104.382 205.219,102.804 ; v1@206.879,58.746 205.803,60.094 ; v1(207.188,59.065) 205.803,60.094 ; v1@207.405,59.453 205.803,60.094 ; v1@207.442,59.014 206.883,59.014 205.803,60.094 ; 226.645,65.872 228.371,65.872 ; 227.32,65.872 228.371,65.872 ; 230.289,60.911 229.301,62.642 ; 230.659,61.184 229.301,62.642 ; 230.759,61.184 228.371,63.571 228.371,65.872 ; 230.957,61.533 229.301,62.642 ; 232.592,71.224 231.44,68.941 ; 232.774,71.405 235.056,72.557 ; 232.921,71.026 231.44,68.941 ; 232.972,71.077 235.056,72.557 ; 233.525,70.422 231.44,68.941 ; 233.576,70.473 235.056,72.557 ; 233.723,70.093 231.44,68.941 ; 233.904,70.275 235.056,72.557 ; 236.611,59.472 239.458,59.472 239.611,59.319 237.984,59.472 ; 236.67,59.016 238.404,59.472 236.67,59.927 ; 239.564,59.057 237.984,59.472 ; 239.614,59.586 237.984,59.472 ; 239.819,70.596 240.614,68.606 ; 240.188,70.706 240.614,68.606 ; 240.311,61.558 240.614,63.13 ; 240.576,61.351 240.614,61.389 240.614,70.749 ; 240.576,61.529 240.614,63.13 ; 240.842,61.545 240.614,63.13 ; 241.041,70.706 240.614,68.606 ; 241.409,70.596 240.614,68.606 ; 265.257,62.832 264.104,65.115 ; 265.257,75.516 264.104,73.234 ; 265.585,63.03 264.104,65.115 ; 265.585,75.318 264.104,73.234 ; 265.913,63.307 262.28,66.939 262.28,71.41 ; 266.189,63.634 264.104,65.115 ; 266.189,74.714 264.104,73.234 ; 266.387,63.963 264.104,65.115 ; 266.387,74.386 264.104,73.234 ; 105.956,54.773 105.969,52.868 ; 105.969,52.868 107.245,52.868 ; 107.245,52.868 108.452,51.661 110.344,51.661 110.661,51.979 116.673,51.979 116.991,51.661 124.828,51.661 125.222,51.267 ; 123.069,53.299 121.27,53.401 121.371,53.299 124.282,53.299 ; 123.308,51.661 125.222,51.267 ; 124.282,53.299 124.65,53.668 124.65,54.204 ; 124.282,53.299 124.65,54.204 ; 125.222,51.267 125.285,51.331 125.285,53.941 125.546,54.201 143.497,54.201 v1(143.713,54.417) 141.886,54.201 ; 173.438,63.771 176.017,63.771 ; 176.017,63.771 176.017,62.971 177.921,62.971 ; 176.017,63.771 176.017,64.571 178.206,64.571 ; 176.017,63.771 177.406,63.771 ; 177.406,63.771 178.206,64.571 ; 177.921,62.971 179.521,64.571 ; 178.206,64.571 179.521,64.571 ; 179.521,64.571 179.708,64.757 183.132,64.757 ; v2(195.351,62.088) 195.746,62.483 ; v2(195.351,62.088) 195.746,63.681 ; v2(195.351,62.088) 195.746,63.681 ; 195.746,62.483 195.746,63.681 ; 195.746,62.483 195.746,63.681 ; 195.746,63.681 195.052,62.194 195.746,63.681 ; 195.746,63.681 195.666,62.042 195.746,63.681 ; v2(201.701,60.411) 202.307,60.411 ; v2(201.701,60.411) 202.624,60.094 ; v2(201.701,60.411) 202.307,60.411 ; 202.307,60.411 202.624,60.094 ; 202.307,60.411 201.785,60.718 202.307,60.411 ; 202.307,60.411 201.785,60.105 202.307,60.411 ; 202.624,60.094 205.803,60.094 ; 228.371,65.872 233.248,70.749 236.347,73.848 247.548,73.848 249.987,71.41 262.28,71.41 ; 262.28,71.41 265.913,75.042 264.104,73.234
  Top Layer w0.5: 128.497,99.979 128.956,97.762 ; 128.551,87.804 129.123,89.996 ; 128.723,95.188 128.956,97.349 ; 128.725,92.913 129.123,90.8 ; 128.956,100.01 128.956,95.25 129.123,95.082 ; 129.007,87.716 129.123,87.833 129.123,93.05 ; 129.007,100.025 128.956,97.762 ; 129.057,87.732 129.123,89.996 ; 129.123,92.95 129.123,90.8 ; 129.123,95.182 128.956,97.349 ; 129.514,99.956 128.956,97.762 ; 129.518,95.25 128.956,97.349 ; 129.522,92.913 129.123,90.8 ; 129.568,87.775 129.123,89.996